# Altium PCB RK_NVR_DEMO1_RK3588_LP4XD200P232SD8_V21_20211228_final_lint.PcbDoc (part 11 of 29) (continued)
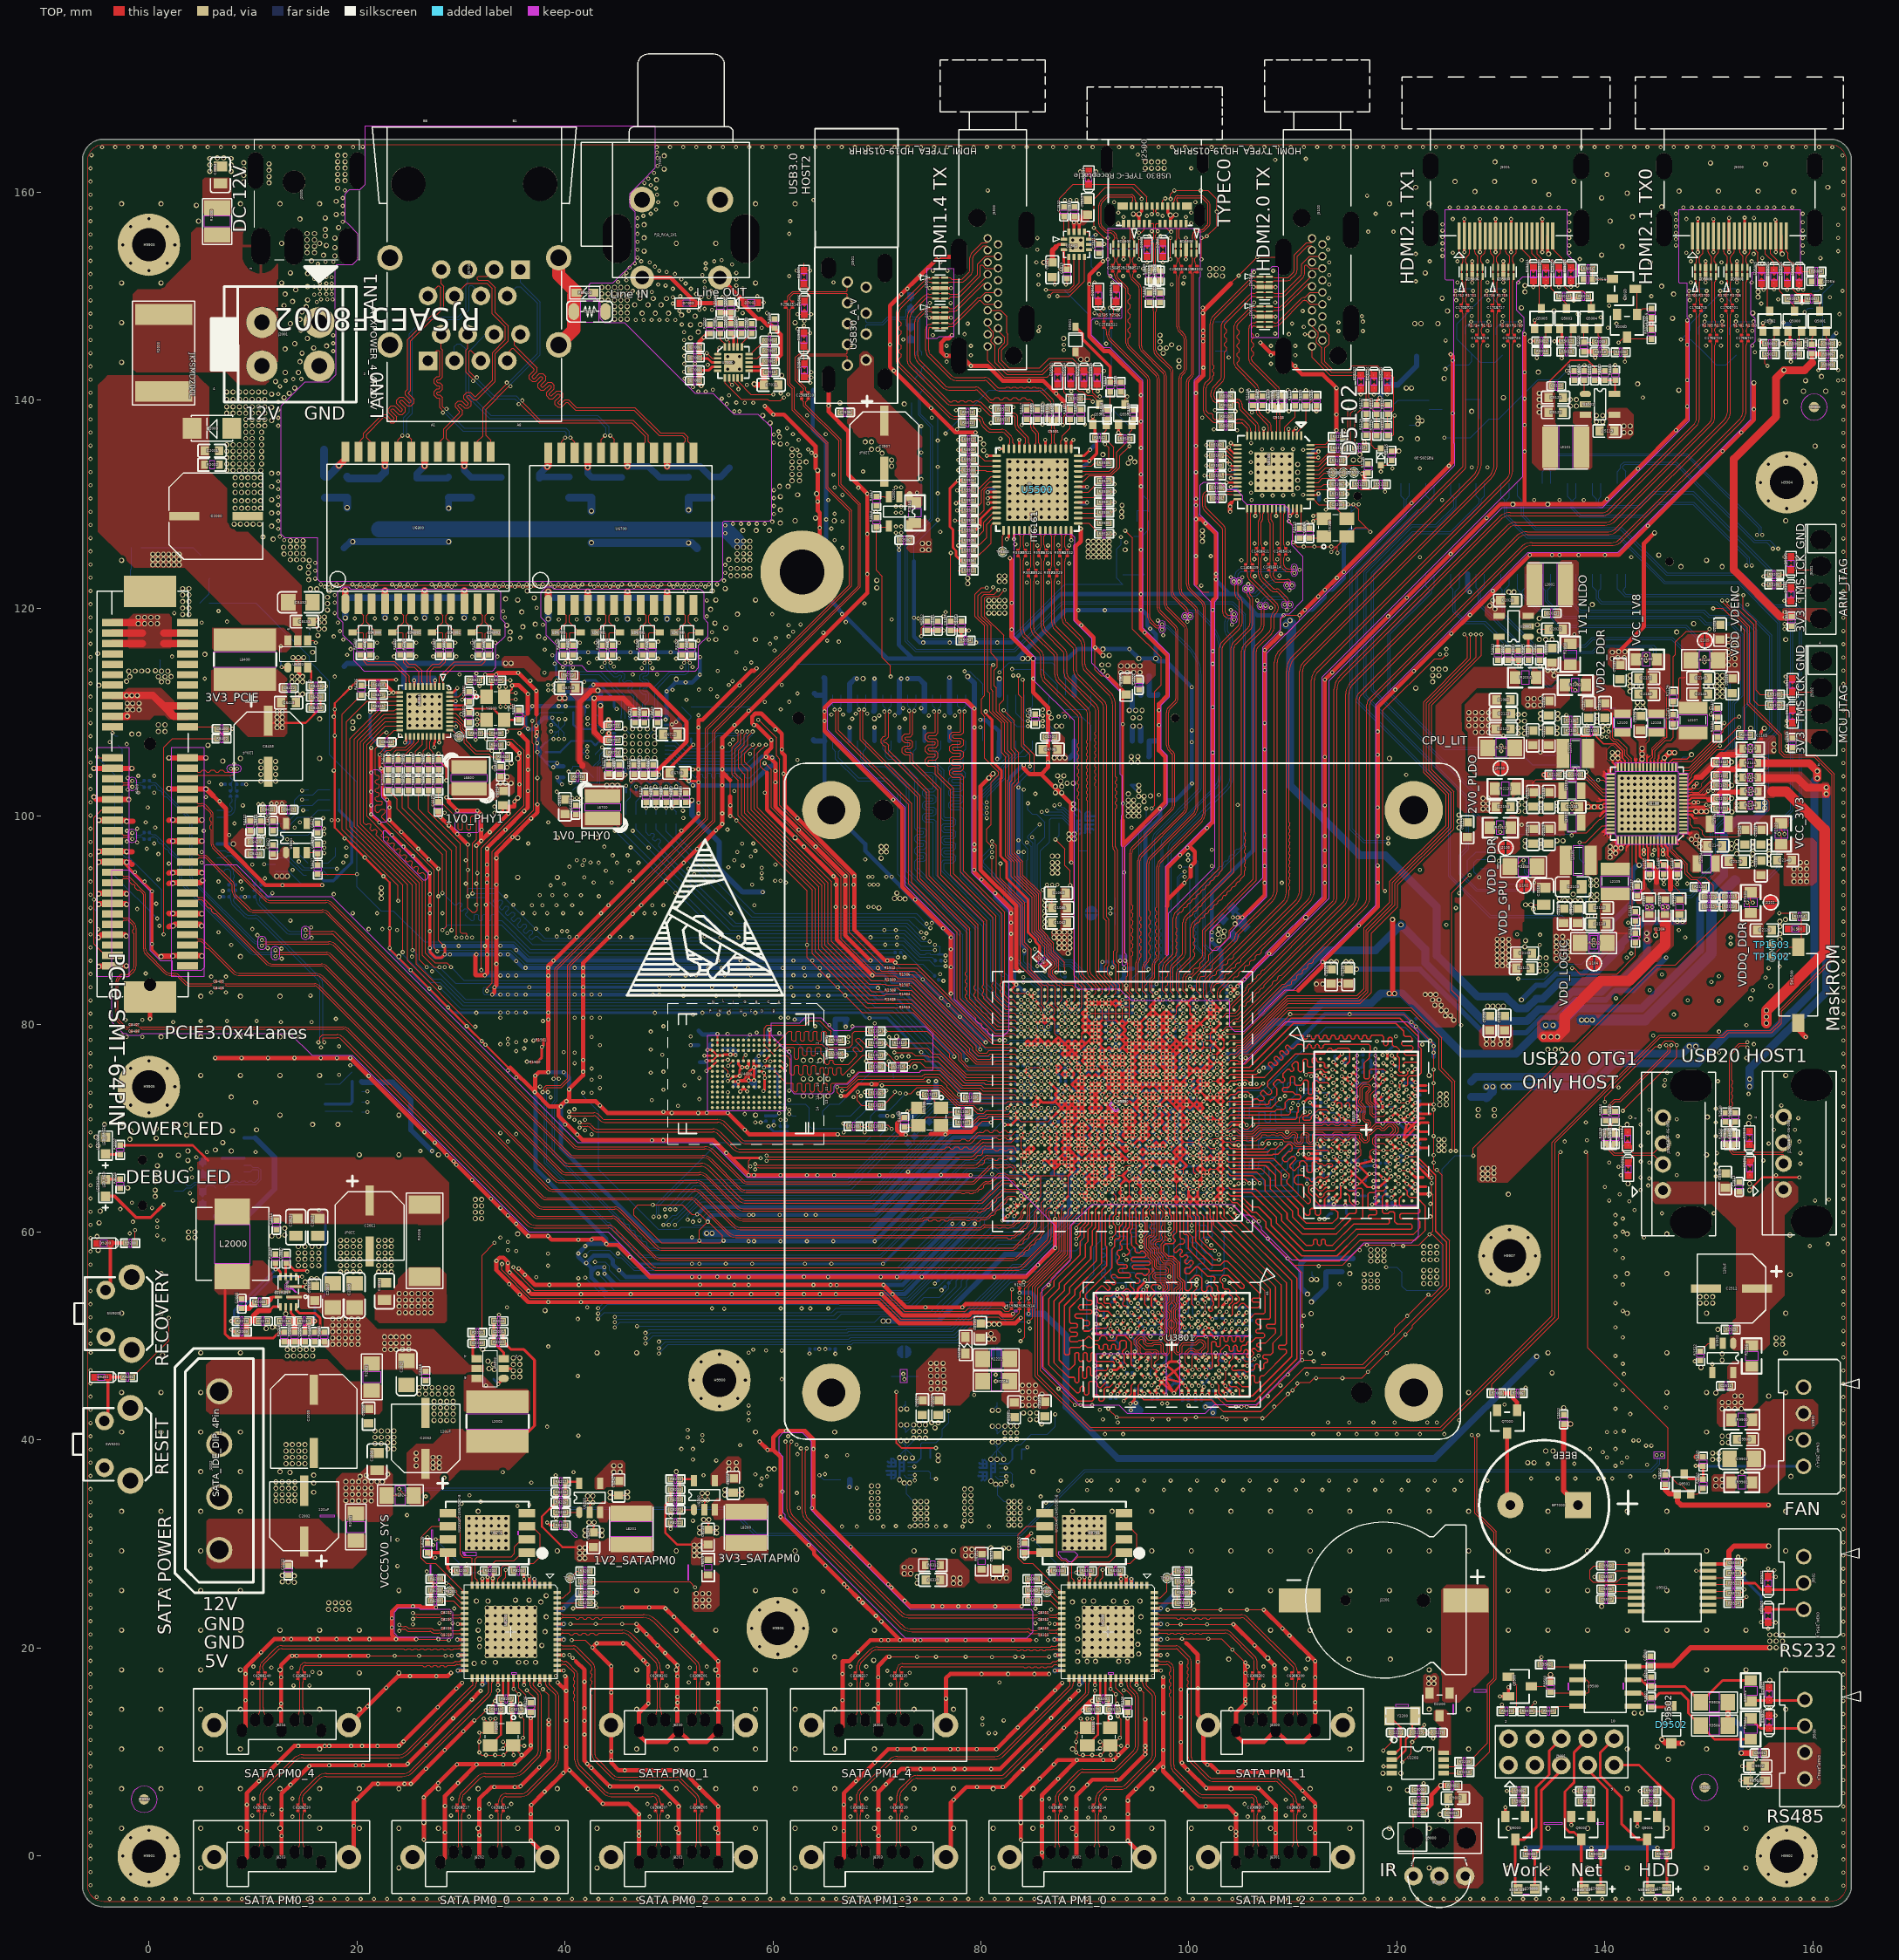
[diagram p0: TOP view]
## Nets (pads, with @x,y where several pads share a name; then routed paths per layer and width w, separated by ;. In a path a pad name is that pad's centre, name@x,y a point inside that pad or via, vN(x,y) a via of type N, cw(c..) or ccw(c..) an arc to the next point about the centre after c; other vN are vias at no path point) (continued)
 v2(116.216,74.981) U3800.C5@115.841,75.356 U3800.D4@115.041,74.706 ; v2(117.365,65.596) v2(117.822,65.606) U3800.V8@118.241,65.606 v2(118.69,65.186) 118.716,65.16 118.837,65.16 U3800.W9@119.041,64.956 ; 117.441,67.298 117.441,67.171 v28(117.746,66.866) ; v2(117.619,62.675) 117.909,62.675 U3800.AB8@118.241,63.006 ; v2(117.746,64.326) 118.221,64.326 U3800.Y8@118.241,64.306 U3800.W9@119.041,64.956 ; v2(117.822,74.13) 117.896,74.056 U3800.E8@118.241,74.056 ; v2(117.865,74.981) U3800.C8@118.241,75.356 ; U3800.T8@118.241,66.906 v28(117.746,66.866) ; v2(118.635,71.666) 118.635,72.386 v2(118.631,72.39) 118.631,72.405 118.28,72.757 U3800.G8@118.241,72.757 118.64,73.156 v2@118.64,73.207 ; v28(118.648,74.464) 118.891,74.706 U3800.D9@119.041,74.706 ; U3800.K9@119.041,70.807 119.412,71.051 v28(119.432,71.047) ; v28(119.376,68.597) U3800.P10@119.841,68.206 ; v2(119.452,65.363) U3800.W9@119.041,64.956 ; v2(119.503,67.869) U3800.P10@119.841,68.206 ; v2(119.516,76.981) U3800.A10@119.841,76.656 ; v2(119.841,62.421) U3800.AB10@119.841,63.006 ; U3800.T10@119.841,66.906 v2(120.128,67.194) ; U3800.J10@119.841,71.457 120.347,71.11 v2(120.355,71.111) 120.355,71.093 U3800.K11@120.641,70.807 120.937,70.557 v2(120.941,70.508) ; v2(120.286,67.882) U3800.P10@119.841,68.206 ; v2(120.316,74.382) U3800.D11@120.641,74.706 ; v35(120.965,64.632) U3800.Y12@121.441,64.306 ; v28(120.965,68.531) U3800.P12@121.441,68.206 ; v2(121.022,72.428) U3800.G12@121.441,72.757 ; v2(121.067,65.955) 121.092,65.955 U3800.V12@121.441,65.606 121.782,65.266 122.521,65.266 ; v28(121.067,71.131) 121.082,71.211 U3800.J12@121.441,71.457 ; U3800.E12@121.441,74.056 v2(121.753,73.744) ; U3800.C12@121.441,75.356 v2(121.762,75.677) ; v28(121.766,66.582) 123.132,65.215 v2(123.334,65.215) ; 122.623,70.955 122.176,70.955 120.776,69.556 ; 122.826,64.351 122.135,64.351 v28(121.766,63.982) 121.929,63.818 122.112,63.635 v9(123.094,63.635) ; 122.826,68.923 122.157,68.923 v28(121.781,68.546) 122.216,68.11 122.927,68.11 ; 122.826,73.597 121.9,73.597 v2(121.753,73.744) ; 122.826,74.105 122.114,74.105 v2(121.753,73.744) ; 122.927,69.634 122.216,69.634 v2(121.81,70.041) ; 123.029,70.549 122.318,70.549 v2(121.81,70.041) ; 123.232,71.362 122.185,71.362 v28(121.766,71.781) 122.26,72.276 v2(123.537,72.276) ; v2@123.531,71.781 v2(123.533,71.779) ; v1(126.483,154.24) J5001.2@126.483,155.791 v1(126.483,157.417) ; v1(127.233,151.29) ED5006.3@127.233,151.942 ED5006.8@127.233,152.732 v1(127.233,153.358) ; v1(127.983,154.24) J5001.5@127.983,155.791 v1(127.983,157.398) ; v1(129.483,154.24) J5001.8@129.483,155.791 v1(129.483,157.417) ; v1(130.235,151.316) ED5007.3@130.235,151.942 ED5007.8@130.235,152.732 v1(130.235,153.358) ; v1(130.983,154.24) J5001.11@130.983,155.791 v1(130.983,157.417) ; v2(133.118,150.889) ED5011.2@133.118,151.499 ; v1(133.983,154.24) J5001.17@133.983,155.791 v1(133.983,157.417) ; v2(134.32,150.914) ED5010.2@134.32,151.511 ; v2(135.582,150.855) ED5009.2@135.582,151.499 ; v2(136.733,150.914) ED5008.2@136.733,151.511 ; v9(144.873,88.532) 144.928,88.587 C1104.2@144.928,89.142 ; v1(148.937,154.24) J5000.2@148.937,155.791 v1(148.937,157.46) ; v1(149.687,151.316) ED5000.3@149.687,151.942 ED5000.8@149.687,152.732 v1(149.687,153.358) ; v1(150.437,154.24) J5000.5@150.437,155.791 v1(150.437,157.398) ; v1(151.937,154.24) J5000.8@151.937,155.791 v1(151.937,157.513) ; v1(152.689,151.316) ED5001.3@152.689,151.942 ED5001.8@152.689,152.732 v1(152.689,153.358) ; v1(153.437,154.24) J5000.11@153.437,155.791 v1(153.437,157.548) ; C1105.2@155.033,107.985 155.033,108.141 v9(155.338,108.446) ; ED5005.2@155.063,151.245 155.063,150.808 v2(155.262,150.61) ; v2(156.265,150.66) ED5004.2@156.265,151.257 ; v1(156.38,157.342) 156.437,157.286 J5000.17@156.437,155.791 v1(156.437,154.24) ; v1(157.527,150.601) ED5003.2@157.527,151.245 ; v1(158.589,150.66) 158.589,150.711 158.678,150.801 ED5002.2@158.678,151.257 ; U1000.G32@84.191,65.756 U1000.F31@84.841,65.106 ; v2(84.515,67.38) 84.191,67.705 v2(83.866,67.38) U1000.J32@84.191,67.055 v2(84.515,67.38) ; 84.515,68.031 U1000.L31@84.841,68.356 85.165,68.031 U1000.K31@84.841,67.705 84.515,68.031 ; U1000.AF31@84.841,78.106 v2(85.165,77.781) U1000.AF30@85.491,78.106 ; U1000.U31@84.842,72.254 85.167,72.579 ; U1000.U31@84.842,72.254 v2(85.164,71.932) U1000.U30@85.491,72.256 ; 85.166,78.431 U1000.AF30@85.491,78.106 ; 85.166,78.431 U1000.AG30@85.491,78.756 ; 85.167,72.579 U1000.U30@85.491,72.256 ; 85.167,72.579 85.491,72.903 U1000.V30@85.491,72.906 ; U1000.U30@85.491,72.256 U1000.U30@85.491,72.256 85.816,72.581 ; U1000.V30@85.491,72.906 85.816,72.581 ; U1000.AF30@85.491,78.106 85.816,78.431 ; U1000.AG30@85.491,78.756 85.816,78.431 ; 85.816,72.581 85.943,72.454 86.989,72.454 87.111,72.576 ; 85.816,78.431 U1000.AF29@86.141,78.106 ; v2(85.816,80.381) 86.141,80.056 v2(86.466,80.381) ; v2(85.816,80.381) U1000.AK29@86.141,80.706 ; U1000.AF29@86.141,78.106 86.466,78.431 U1000.AF28@86.791,78.106 ; U1000.AF29@86.141,78.106 v2(86.466,77.781) U1000.AF28@86.791,78.106 ; U1000.AK29@86.141,80.706 v2(86.466,80.381) ; 86.466,66.731 U1000.H28@86.791,66.406 ; 86.466,66.731 U1000.J28@86.791,67.055 87.116,66.731 ; U1000.H28@86.791,66.406 87.116,66.081 87.441,66.406 ; U1000.H28@86.791,66.406 87.116,66.731 ; U1000.AF28@86.791,78.106 87.116,78.43 ; 87.111,72.576 U1000.V27@87.441,72.906 ; 87.111,72.576 87.436,72.251 ; 87.116,66.731 87.441,66.406 ; 87.116,78.43 87.441,78.755 87.766,78.43 ; 87.116,78.43 U1000.AF27@87.441,78.106 ; 87.436,72.251 v2(87.766,72.581) ; 87.436,72.251 87.756,71.931 87.766,71.931 ; 87.441,66.406 v2(87.766,66.731) ; U1000.V27@87.441,72.906 v2(87.766,72.581) ; U1000.AF27@87.441,78.106 87.766,78.43 ; U1000.AF27@87.441,78.106 v2(87.766,77.781) ; v2(87.766,66.731) U1000.H26@88.091,66.406 v2(88.416,66.081) ; v2(87.766,66.731) 88.091,67.056 ; v2(87.766,66.731) U1000.J27@87.441,67.055 87.766,67.381 88.091,67.705 v2(88.415,67.381) ; 87.766,71.931 U1000.T26@88.091,71.606 88.42,71.935 ; 87.766,71.931 88.095,72.26 88.42,71.935 ; v2(87.766,72.581) 88.086,72.26 88.094,72.26 v2(88.415,72.581) ; v2(87.766,77.781) U1000.AE26@88.091,77.456 ; v2(87.766,77.781) 88.091,78.106 ; 87.766,78.43 88.091,78.106 ; U1000.L26@88.09,68.356 87.765,68.031 88.09,67.706 88.416,68.031 ; U1000.L26@88.09,68.356 87.765,68.681 U1000.M26@88.091,69.006 ; U1000.L26@88.091,68.356 v2(88.416,68.681) ; U1000.M26@88.091,69.006 v2(87.766,69.331) U1000.N26@88.091,69.656 ; U1000.M26@88.091,69.006 v2(88.416,68.681) ; U1000.M26@88.091,69.006 88.416,69.331 ; U1000.N26@88.091,69.656 v2(87.766,69.981) U1000.P26@88.091,70.306 ; U1000.N26@88.091,69.656 v2(88.416,69.981) ; U1000.P26@88.091,70.306 v2(88.416,70.631) ; U1000.AE26@88.091,77.456 88.416,77.781 ; U1000.AE26@88.091,77.456 87.766,77.131 U1000.AD26@88.091,76.806 88.416,77.131 ; U1000.AE26@88.091,77.456 88.416,77.131 ; 88.091,67.056 88.091,67.054 v2(88.415,66.73) ; 88.091,67.057 v2(88.415,67.381) ; 88.091,78.106 88.416,78.431 U1000.AF25@88.74,78.106 ; 88.091,78.106 88.416,77.781 ; v2(88.416,66.081) U1000.G25@88.74,65.756 ; v2(88.416,66.081) U1000.H25@88.74,66.406 ; v2(88.415,67.381) 88.739,67.706 ; v2(88.415,67.381) U1000.J25@88.74,67.056 ; 88.416,68.031 88.416,68.029 88.739,67.706 ; v2(88.416,68.681) U1000.M25@88.74,69.006 88.416,69.331 ; 88.416,69.331 88.74,69.656 v2(88.416,69.981) ; v2(88.416,69.981) 88.74,70.306 v2(88.416,70.631) ; v2(88.416,70.631) U1000.R25@88.74,70.956 ; v2(88.416,71.281) U1000.T25@88.74,71.606 ; v2(88.415,72.581) U1000.V25@88.74,72.906 ; 88.416,77.131 U1000.AD25@88.74,76.806 89.066,77.131 ; 88.416,77.131 v2(89.066,77.781) ; 88.416,77.781 U1000.AF25@88.74,78.106 ; 88.416,77.781 89.066,77.131 ; 88.42,71.935 88.74,71.614 U1000.T25@88.74,71.606 ; 88.739,67.706 89.064,67.381 89.066,67.381 ; U1000.G25@88.74,65.756 89.065,66.081 U1000.H25@88.74,66.406 ; U1000.H25@88.74,66.406 89.066,66.731 ; U1000.J25@88.74,67.055 89.065,66.731 ; U1000.J25@88.74,67.055 89.066,67.381 ; U1000.R25@88.74,70.956 89.054,70.642 89.077,70.642 ; U1000.R25@88.74,70.956 89.066,71.281 ; U1000.T25@88.74,71.606 89.065,71.281 ; U1000.V25@88.74,72.906 U1000.U24@89.391,72.256 ; U1000.AF25@88.74,78.106 89.065,78.431 U1000.AF24@89.391,78.106 ; U1000.AF25@88.74,78.106 v2(89.066,77.781) ; 89.066,66.731 U1000.J24@89.391,67.055 89.066,67.381 ; 89.066,71.281 U1000.T24@89.39,71.606 ; v2(89.066,73.231) U1000.V24@89.391,72.906 ; v2(89.066,73.231) U1000.W24@89.391,73.556 ; 89.066,73.881 U1000.Y24@89.391,74.206 89.716,73.881 ; 89.066,73.881 U1000.W24@89.391,73.556 ; v2@89.066,76.481 U1000.AD24@89.391,76.806 89.066,77.131 ; v2(89.066,76.481) U1000.AC24@89.391,76.156 ; 89.066,77.131 U1000.AE24@89.391,77.456 v2(89.066,77.781) ; v2(89.066,77.781) U1000.AF24@89.391,78.106 ; 89.066,71.931 U1000.U24@89.391,72.256 ; 89.066,71.931 U1000.T24@89.391,71.606 ; 89.077,70.642 U1000.R24@89.391,70.956 ; U1000.R24@89.391,70.956 v2(89.716,71.281) U1000.R23@90.041,70.956 v2(90.366,70.631) ; U1000.T24@89.391,71.606 89.391,71.608 89.714,71.931 ; U1000.U24@89.391,72.256 89.391,72.258 v2(89.714,72.581) ; U1000.U24@89.391,72.256 89.391,72.254 89.714,71.931 ; U1000.V24@89.391,72.906 v2(89.716,73.231) ; U1000.V24@89.391,72.906 89.391,72.903 v2(89.714,72.581) ; U1000.W24@89.391,73.556 v2(89.716,73.231) ; U1000.W24@89.391,73.556 89.716,73.881 ; U1000.AA24@89.391,74.856 v2(89.716,75.181) ; U1000.AA24@89.391,74.856 v2(89.716,74.531) ; U1000.AB24@89.391,75.506 v2(89.716,75.181) ; U1000.AB24@89.391,75.506 89.716,75.831 U1000.AC24@89.391,76.156 ; U1000.AB24@89.391,75.506 v2(89.066,75.83) U1000.AC24@89.391,76.156 ; U1000.AF24@89.391,78.106 89.716,78.431 90.041,78.106 ; 89.714,71.931 U1000.U23@90.039,72.256 ; v2(89.714,72.581) U1000.U23@90.039,72.256 ; v2(89.714,72.581) 90.039,72.906 90.041,72.906 v2(89.716,73.231) ; v2(89.716,63.481) U1000.C23@90.041,63.156 ; v2(89.716,73.231) U1000.W23@90.041,73.556 89.716,73.881 ; 89.716,73.881 90.041,74.206 v2(89.716,74.531) ; v2(89.716,74.531) U1000.AA23@90.041,74.856 ; v2(89.716,75.181) U1000.AA23@90.041,74.856 ; U1000.AA23@90.041,74.856 90.366,75.18 U1000.AA22@90.691,74.856 91.016,75.181 U1000.AA21@91.341,74.856 91.666,75.181 ; 90.041,78.106 90.358,78.422 ; U1000.AH23@90.041,79.405 90.366,79.081 ; U1000.AH23@90.041,79.405 90.366,79.731 ; U1000.AH23@90.041,79.405 89.716,79.731 U1000.AJ23@90.041,80.056 ; U1000.AJ23@90.041,80.056 89.716,80.381 U1000.AK23@90.041,80.706 ; U1000.AJ23@90.041,80.056 90.366,79.731 ; U1000.AJ23@90.041,80.056 90.366,80.381 ; U1000.AK23@90.041,80.706 90.366,80.381 ; U1000.AK23@90.041,80.706 89.716,81.031 90.041,81.356 v2(90.366,81.031) U1000.AK23@90.041,80.706 ; 90.358,78.422 90.674,78.106 U1000.AF22@90.691,78.106 v2(91.015,78.431) ; 90.358,78.422 U1000.AG22@90.691,78.756 ; v2(90.366,64.131) U1000.E23@90.041,64.456 90.366,64.781 ; v2(90.366,64.131) U1000.E22@90.691,64.456 ; 90.366,64.781 U1000.E22@90.691,64.456 ; 90.366,64.781 U1000.F23@90.041,65.106 90.366,65.431 ; 90.366,64.781 U1000.F22@90.691,65.106 ; 90.366,65.431 U1000.G22@90.691,65.756 ; 90.366,65.431 U1000.F22@90.691,65.106 ; v2(90.366,66.731) U1000.H22@90.691,66.406 ; v2@90.366,66.731 U1000.J22@90.691,67.055 v2(91.016,66.731) ; 90.366,67.381 U1000.J22@90.691,67.055 91.016,67.381 ; 90.366,67.381 U1000.K22@90.691,67.705 91.016,67.381 ; v2(90.366,70.631) U1000.P22@90.691,70.306 ; v2(90.366,70.631) U1000.R22@90.691,70.956 v18(91.016,70.631) ; 90.366,79.081 U1000.AH22@90.691,79.405 ; 90.366,79.081 U1000.AG22@90.691,78.756 ; 90.366,79.731 U1000.AH22@90.691,79.405 ; 90.366,79.731 U1000.AJ22@90.691,80.056 ; 90.366,80.381 U1000.AJ22@90.691,80.056 ; v2(90.366,81.681) U1000.AM22@90.691,82.006 ; U1000.E22@90.691,64.456 91.016,64.781 ; U1000.F22@90.691,65.106 91.016,64.781 ; U1000.F22@90.691,65.106 v2(91.016,65.431) ; U1000.G22@90.691,65.756 v2(91.016,66.081) ; U1000.G22@90.691,65.756 v2(91.016,65.431) ; U1000.H22@90.691,66.406 v2(91.016,66.731) ; U1000.H22@90.691,66.406 v2(91.016,66.081) ; U1000.P22@90.691,70.306 v18(91.016,70.631) ; U1000.P22@90.691,70.306 v18(91.016,69.981) ; U1000.AG22@90.691,78.756 v2(91.015,79.081) ; U1000.AH22@90.691,79.405 v2(91.015,79.731) ; U1000.AJ22@90.691,80.056 v2(91.015,79.731) ; U1000.AJ22@90.691,80.056 v2(91.016,80.381) U1000.AJ21@91.341,80.056 ; U1000.AM22@90.691,82.006 v2(91.016,82.331) v2(91.666,81.681) U1000.AM20@91.991,82.006 ; v2(91.015,79.731) U1000.AH21@91.341,79.405 ; 91.016,64.781 U1000.F21@91.341,65.106 ; v2(91.016,65.431) U1000.F21@91.341,65.106 ; v2(91.016,65.431) U1000.G21@91.341,65.756 v2(91.016,66.081) ; v2(91.016,66.731) U1000.J21@91.341,67.055 ; 91.016,67.381 U1000.K21@91.341,67.705 91.666,67.381 ; 91.016,67.381 U1000.J21@91.341,67.055 ; v18(91.016,69.981) 90.691,69.656 90.366,69.331 U1000.M22@90.691,69.006 v2(90.366,68.681) U1000.L22@90.691,68.356 U1000.K21@91.341,67.705 91.666,68.031 ; v18(91.016,70.631) U1000.P21@91.341,70.306 ; v2(91.015,78.431) U1000.AG21@91.341,78.756 ; v2(91.015,79.081) U1000.AH21@91.341,79.405 ; v2(91.015,79.081) U1000.AG21@91.341,78.756 ; U1000.F21@91.341,65.106 v2(91.666,64.781) U1000.F20@91.991,65.106 92.316,65.431 ; U1000.J21@91.341,67.055 91.666,67.381 ; U1000.P21@91.341,70.306 91.666,69.981 ; U1000.AG21@91.341,78.756 91.666,79.081 U1000.AH21@91.341,79.405 ; U1000.AH21@91.341,79.405 91.666,79.731 U1000.AJ21@91.341,80.056 ; v2(91.664,71.281) 91.341,70.958 U1000.R21@91.341,70.956 91.666,70.631 U1000.R20@91.991,70.956 91.991,70.96 v2(92.314,71.283) ; 91.666,68.031 U1000.L20@91.991,68.356 ; 91.666,68.031 U1000.L21@91.341,68.356 91.666,68.681 ; v2(91.666,76.481) U1000.AD21@91.341,76.806 v2(91.666,77.131) ; v2(91.666,76.481) U1000.AC20@91.991,76.156 ; v2(91.666,76.481) 91.341,76.156 91.666,75.831 ; 91.666,68.681 U1000.L20@91.991,68.356 ; 91.666,68.681 U1000.M20@91.991,69.006 v2(91.666,69.331) U1000.N20@91.991,69.656 91.666,69.981 ; 91.666,69.981 U1000.P20@91.991,70.306 ; 91.666,75.181 U1000.AA20@91.991,74.856 v2(92.316,75.181) ; 91.666,75.181 U1000.AB20@91.991,75.506 ; 91.666,75.831 U1000.AC20@91.991,76.156 ; 91.666,75.831 U1000.AB20@91.991,75.506 ; U1000.L20@91.991,68.356 v2(92.316,68.681) ; U1000.P20@91.991,70.306 v2(92.316,70.631) ; U1000.U20@91.991,72.256 92.316,71.931 ; U1000.U20@91.991,72.256 v2(92.316,72.581) U1000.V19@92.641,72.906 v2(92.966,73.231) ; U1000.AB20@91.991,75.506 v2(92.316,75.831) ; U1000.AB20@91.991,75.506 v2(92.316,75.181) ; U1000.AC20@91.991,76.156 v2(92.316,75.831) ; v2(92.314,71.283) U1000.T20@91.991,71.606 92.316,71.931 ; v2(92.314,71.283) 92.637,71.606 U1000.T19@92.641,71.606 ; v2(92.316,64.781) U1000.F19@92.641,65.106 ; 92.316,65.431 U1000.F19@92.641,65.106 ; 92.316,65.431 U1000.G19@92.641,65.756 ; v2(92.316,66.731) U1000.H19@92.641,66.406 ; v2(92.316,66.731) U1000.J19@92.641,67.055 ; v2(92.316,68.681) U1000.L19@92.641,68.356 v2(92.966,68.681) U1000.M18@93.291,69.006 ; v2(92.316,70.631) U1000.P19@92.641,70.306 92.966,70.631 ; v2(92.316,70.631) U1000.R19@92.641,70.956 92.966,71.281 ; 92.316,71.931 U1000.T19@92.641,71.606 ; 92.316,73.881 U1000.Y19@92.641,74.206 ; 92.316,73.881 U1000.W19@92.641,73.556 ; v2(92.316,74.531) U1000.AA19@92.641,74.856 ; v2(92.316,75.181) U1000.AB19@92.641,75.506 ; v2(92.316,75.181) U1000.AA19@92.641,74.856 ; v2(92.316,75.831) U1000.AB19@92.641,75.506 ; U1000.F19@92.641,65.106 v2(92.966,65.431) U1000.G19@92.641,65.756 ; U1000.G19@92.641,65.756 92.316,66.081 U1000.H19@92.641,66.406 ; U1000.G19@92.641,65.756 v2(92.966,66.081) U1000.H19@92.641,66.406 ; U1000.H19@92.641,66.406 v2(92.966,66.731) ; U1000.J19@92.641,67.055 v2(92.966,67.381) U1000.K18@93.291,67.705 ; U1000.J19@92.641,67.055 v2(92.966,66.731) ; U1000.T19@92.641,71.606 92.965,71.281 ; U1000.W19@92.641,73.556 v2(92.966,73.881) ; U1000.W19@92.641,73.556 v2(92.966,73.231) ; U1000.Y19@92.641,74.206 v2(92.966,73.881) ; U1000.Y19@92.641,74.206 v2(92.966,74.531) ; U1000.AA19@92.641,74.856 v2(92.966,74.531) ; U1000.AA19@92.641,74.856 v2(92.966,75.181) ; U1000.AB19@92.641,75.506 v2(92.966,75.181) ; v2(92.966,66.731) U1000.J18@93.291,67.055 ; v2(92.966,69.981) U1000.P18@93.291,70.306 92.966,70.631 ; v2(92.966,69.981) 93.291,69.656 v2(92.966,69.331) U1000.M18@93.291,69.006 ; v2(92.966,73.231) U1000.W18@93.291,73.556 ; v2(92.966,73.231) U1000.V18@93.291,72.906 93.294,72.906 v2(93.622,72.578) 93.941,72.259 U1000.U17@93.941,72.256 93.951,72.256 94.272,72.577 94.591,72.259 U1000.U16@94.591,72.256 ; v2(92.966,73.881) U1000.Y18@93.291,74.206 93.616,73.881 ; v2(92.966,73.881) U1000.W18@93.291,73.556 ; v2(92.966,74.531) U1000.Y18@93.291,74.206 93.616,74.531 ; v2(92.966,74.531) U1000.AA18@93.291,74.856 ; v2(92.966,75.181) U1000.AA18@93.291,74.856 ; v2(92.966,75.181) U1000.AB18@93.291,75.506 93.291,75.49 93.608,75.173 ; U1000.J18@93.291,67.055 v2(93.615,66.731) 93.615,66.738 93.937,67.06 ; U1000.J18@93.291,67.055 93.616,67.38 ; U1000.K18@93.291,67.705 93.616,67.38 ; U1000.W18@93.291,73.556 93.616,73.881 ; U1000.AA18@93.291,74.856 93.616,74.531 ; U1000.AA18@93.291,74.856 93.608,75.173 ; U1000.AG18@93.291,78.756 93.616,79.081 ; U1000.AG18@93.291,78.756 93.62,78.427 ; U1000.AJ18@93.291,80.056 93.616,79.731 ; U1000.AJ18@93.291,80.056 93.589,80.354 93.914,80.029 ; 93.608,75.173 U1000.AB17@93.941,75.506 ; 93.608,75.173 93.925,74.856 U1000.AA17@93.941,74.856 ; v2(93.616,63.48) U1000.C17@93.941,63.156 ; v2(93.616,63.48) 93.29,63.806 v2(93.616,64.131) U1000.E18@93.291,64.456 93.941,65.106 ; v2(93.616,63.48) U1000.C18@93.291,63.156 v2(93.616,62.831) U1000.C17@93.941,63.156 ; 93.616,67.38 93.937,67.06 ; 93.616,73.881 U1000.Y17@93.941,74.206 ; 93.616,73.881 U1000.W17@93.941,73.556 v2(94.265,73.881) ; 93.616,74.531 U1000.AA17@93.941,74.856 ; 93.616,74.531 U1000.Y17@93.941,74.206 ; 93.616,77.781 v2(94.266,78.431) U1000.AF16@94.591,78.106 v2(94.915,78.431) U1000.AG15@95.241,78.756 ; 93.615,77.781 93.993,77.403 ; 93.616,79.081 93.941,79.406 93.616,79.731 ; 93.616,79.081 93.944,78.752 ; 93.616,79.731 93.914,80.029 ; 93.62,78.427 93.944,78.752 ; 93.62,78.427 v2(94.254,77.793) v2@94.254,77.781 ; U1000.C17@93.941,63.156 94.266,63.481 U1000.C16@94.591,63.156 ; U1000.C17@93.941,63.156 94.265,62.831 U1000.C16@94.591,63.156 ; 93.941,65.106 94.266,64.78 U1000.F16@94.591,65.106 ; U1000.Y17@93.941,74.206 v2(94.265,73.881) ; U1000.AA17@93.941,74.856 v2(94.265,75.181) ; U1000.AB17@93.941,75.505 v2(94.265,75.181) ; U1000.AB17@93.941,75.506 v2@94.266,75.83 ; 93.993,77.403 94.251,77.146 v2(94.251,77.128) ; 93.993,77.403 93.993,77.52 v2@94.254,77.781 ; v2(94.251,77.128) 94.573,76.806 U1000.AD16@94.591,76.806 94.915,77.131 ; v2(94.251,77.128) U1000.AE16@94.579,77.456 ; v2@94.254,77.781 U1000.AE16@94.579,77.456 ; v2@94.254,77.781 94.266,77.781 U1000.AF16@94.591,78.106 94.915,77.781 ; v2(94.265,73.881) U1000.Y16@94.591,74.206 94.915,74.531 ; v2(94.265,73.881) U1000.W16@94.591,73.556 ; v2(94.265,75.181) U1000.AB16@94.591,75.506 ; v2(94.265,75.181) U1000.AA16@94.591,74.856 ; v2(94.266,75.831) U1000.AC16@94.591,76.156 ; v2(94.266,75.831) U1000.AB16@94.591,75.506 ; U1000.AE16@94.579,77.456 U1000.AE16@94.591,77.456 ; U1000.F16@94.591,65.106 v2(94.915,64.781) 95.24,64.456 v2(95.565,64.132) 95.565,64.13 95.24,63.806 v2(95.565,63.481) ; U1000.U16@94.591,72.256 94.601,72.256 94.922,72.577 ; U1000.U16@94.591,72.256 94.906,71.941 ; U1000.W16@94.591,73.556 v2(94.916,73.231) ; U1000.W16@94.591,73.556 v2(94.915,73.881) ; U1000.AA16@94.591,74.856 94.915,74.531 ; U1000.AA16@94.591,74.856 94.916,75.18 U1000.AB16@94.591,75.506 ; U1000.AB16@94.591,75.506 94.915,75.831 U1000.AC16@94.591,76.156 ; U1000.AE16@94.591,77.456 94.915,77.131 ; U1000.AE16@94.591,77.456 94.915,77.781 ; 94.906,71.941 94.926,71.941 U1000.U15@95.241,72.256 ; v2(94.915,73.881) U1000.W15@95.241,73.556 ; v2(94.915,73.881) U1000.Y15@95.241,74.206 ; 94.915,74.531 U1000.Y15@95.241,74.206 ; 94.915,77.131 U1000.AE15@95.241,77.456 ; 94.915,77.781 U1000.AE15@95.241,77.456 ; 94.915,77.781 U1000.AF15@95.241,78.106 ; v2(94.915,79.731) U1000.AH15@95.241,79.405 ; v2(94.915,79.731) U1000.AJ15@95.241,80.056 ; v2(94.916,73.231) U1000.W15@95.241,73.556 ; v2(94.916,73.231) U1000.V15@95.241,72.906 ; 94.922,72.577 95.241,72.896 U1000.V15@95.241,72.906 ; 94.922,72.577 95.241,72.259 U1000.U15@95.241,72.256 ; U1000.M15@95.241,69.006 95.565,68.681 U1000.M14@95.891,69.006 ; U1000.M15@95.241,69.006 v18(95.565,69.331) ; U1000.U15@95.241,72.256 95.562,72.577 v2(95.562,72.581) 95.562,72.585 U1000.V15@95.241,72.906 ; U1000.W15@95.241,73.556 95.563,73.878 ; U1000.Y15@95.241,74.206 v2(95.565,74.531) U1000.Y14@95.891,74.206 v2(96.215,74.531) U1000.Y13@96.541,74.206 ; U1000.AE15@95.241,77.456 95.565,77.781 ; U1000.AF15@95.241,78.106 95.565,78.431 ; U1000.AG15@95.241,78.756 95.565,79.081 U1000.AH15@95.241,79.405 ; U1000.AG15@95.241,78.756 v2(94.915,79.081) U1000.AH15@95.241,79.405 ; U1000.AG15@95.241,78.756 95.565,78.431 ; U1000.AH15@95.241,79.405 95.566,79.731 U1000.AJ15@95.241,80.056 ; 95.563,73.878 U1000.Y14@95.891,74.206 96.215,73.881 U1000.Y13@96.54,74.206 ; v2(95.565,63.481) U1000.C14@95.89,63.156 ; v2(95.565,64.781) 95.89,65.106 v2(96.215,64.781) 96.54,65.106 v2(96.865,64.781) U1000.E12@97.191,64.456 v2(97.515,64.131) 97.19,63.806 v2(97.515,63.48) ; 95.565,66.73 U1000.J14@95.891,67.055 v2@96.215,66.731 ; 95.565,66.73 U1000.H14@95.89,66.406 ; v18(95.565,69.331) U1000.M14@95.891,69.006 ; v18(95.565,69.331) U1000.N14@95.89,69.656 ; v2(95.565,69.981) U1000.P14@95.891,70.306 ; v2(95.565,69.981) U1000.N14@95.891,69.656 ; v2(95.565,70.631) U1000.P14@95.891,70.306 ; 95.565,77.781 U1000.AE14@95.891,77.456 v2(96.215,77.781) ; 95.565,77.781 U1000.AF14@95.891,78.106 ; 95.565,78.431 U1000.AF14@95.891,78.106 ; U1000.C14@95.891,63.156 v2(96.215,62.831) U1000.C13@96.54,63.156 ; U1000.C14@95.891,63.156 v2(96.216,63.48) U1000.C13@96.541,63.156 ; U1000.H14@95.891,66.406 v2(96.215,66.731) ; U1000.M14@95.891,69.006 96.215,69.331 U1000.N14@95.891,69.656 ; U1000.N14@95.891,69.656 96.216,69.981 U1000.P14@95.891,70.306 ; U1000.AF14@95.891,78.106 v2(96.215,78.431) U1000.AF13@96.54,78.106 ; v2(96.215,66.731) 96.54,67.055 96.866,66.73 ; v2(96.215,77.781) U1000.AF13@96.541,78.106 ; v2(96.215,77.781) 96.54,77.456 96.865,77.781 ; 96.215,81.031 96.54,81.356 96.865,81.031 ; 96.216,81.031 96.54,80.706 96.865,81.031 ; 96.525,81.99 96.557,81.99 v2(96.866,81.681) U1000.AL13@96.541,81.356 96.215,81.681 96.525,81.99 ; U1000.Y13@96.541,74.206 96.866,73.88 ; U1000.AF13@96.541,78.106 v2(96.865,78.431) ; 96.866,66.73 U1000.J12@97.191,67.055 97.516,66.73 U1000.J11@97.841,67.055 98.166,66.73 ; 96.866,66.73 U1000.H12@97.191,66.406 ; v2(96.866,71.93) U1000.U12@97.191,72.256 ; 96.866,73.88 U1000.W12@97.191,73.556 ; 96.865,77.781 U1000.AE12@97.191,77.456 ; 96.865,77.781 U1000.AF12@97.191,78.106 ; v2(96.865,78.431) U1000.AG12@97.191,78.756 ; v2(96.865,78.431) U1000.AF12@97.191,78.106 ; 96.865,81.031 U1000.AK12@97.191,80.706 ; U1000.U12@97.191,72.256 v2(97.516,71.93) U1000.T11@97.841,71.606 97.841,71.6 98.159,71.282 97.841,70.964 U1000.R11@97.841,70.956 v18(98.165,70.631) U1000.P11@97.841,70.306 ; U1000.U12@97.191,72.256 U1000.V11@97.841,72.906 ; U1000.W12@97.191,73.556 97.515,73.881 ; U1000.W12@97.191,73.556 v2(97.516,73.231) ; U1000.AE12@97.191,77.456 97.516,77.781 ; U1000.AE12@97.191,77.456 v2(97.515,77.131) ; U1000.AF12@97.191,78.106 97.515,78.431 ; U1000.AF12@97.191,78.106 97.516,77.781 ; U1000.AG12@97.191,78.756 97.515,78.431 ; U1000.AG12@97.191,78.756 97.515,79.081 ; U1000.AK12@97.191,80.706 97.515,81.031 ; U1000.AK12@97.191,80.706 97.515,80.381 ; U3801.N11@97.371,45.556 97.371,45.602 v2(97.68,45.911) ; U3801.N11@97.371,45.556 v2(98.569,44.514) ; v2(97.515,63.48) U1000.C11@97.841,63.156 v2(97.515,62.831) 97.191,63.156 v2(97.515,63.48) ; v2(97.516,73.231) U1000.V11@97.841,72.906 ; v2(97.516,73.231) U1000.W11@97.841,73.556 ; 97.516,73.881 U1000.W11@97.841,73.556 ; 97.516,73.881 U1000.Y11@97.841,74.206 ; 97.515,73.881 U1000.Y12@97.191,74.206 v2(97.515,74.531) ; v2(97.515,74.531) U1000.Y11@97.841,74.206 ; 97.515,75.831 U1000.AC12@97.191,76.156 v2(97.515,76.481) ; 97.515,75.831 U1000.AB11@97.841,75.506 v2(97.515,75.181) U1000.AA11@97.841,74.856 ; v2(97.515,76.481) U1000.AD12@97.191,76.806 v2(97.515,77.131) ; v2(97.515,76.481) U1000.AD11@97.841,76.806 ; v2(97.515,76.481) U1000.AC11@97.841,76.156 ; v2(97.515,77.131) U1000.AE11@97.841,77.456 v2(98.165,77.131) ; v2(97.515,77.131) U1000.AD11@97.841,76.806 ; 97.516,77.781 U1000.AF11@97.841,78.106 98.165,77.781 ; 97.516,77.781 U1000.AE11@97.841,77.456 98.165,77.781 ; 97.515,79.081 U1000.AH11@97.841,79.405 ; 97.515,79.081 U1000.AH12@97.191,79.405 97.515,79.731 ; 97.515,79.731 U1000.AJ11@97.841,80.056 ; 97.515,79.731 U1000.AJ12@97.191,80.056 97.515,80.381 ; 97.515,80.381 U1000.AK11@97.841,80.706 ; v2(97.68,45.911) 98.587,46.599 ; v2(97.68,45.911) v2(98.569,44.514) ; v2(97.68,45.911) U3801.K11@99.321,45.556 ; v2(97.807,47.181) 98.187,47.562 v2(99.077,47.562) 99.077,47.4 U3801.K9@99.321,47.156 98.587,46.599 ; v2(97.807,47.181) 98.587,46.599 ; U1000.N11@97.841,69.656 97.516,69.981 U1000.P11@97.841,70.306 ; U1000.N11@97.841,69.656 v18(98.165,69.981) U1000.P11@97.841,70.306 ; U1000.V11@97.841,72.906 98.165,72.581 ; U1000.V11@97.841,72.906 v2(98.165,73.231) ; U1000.W11@97.841,73.556 v2(98.165,73.231) ; U1000.W11@97.841,73.556 98.165,73.881 ; U1000.Y11@97.841,74.206 98.165,73.881 ; U1000.AA11@97.841,74.856 v2(98.165,74.531) ; U1000.AA11@97.841,74.856 v2(98.165,75.181) ; U1000.AC11@97.841,76.156 v2@98.165,75.831 ; U1000.AD11@97.841,76.806 v2(98.165,77.131) ; U1000.AD11@97.841,76.806 98.166,76.481 v2(98.167,76.481) ; U1000.AH11@97.841,79.405 v2(98.166,79.08) U1000.AG10@98.491,78.756 98.816,78.431 98.49,78.106 ; U1000.AH11@97.841,79.405 v2(98.165,79.731) U1000.AJ11@97.841,80.056 ; U1000.AJ11@97.841,80.056 v2(98.165,80.381) ; U1000.AK11@97.841,80.706 98.166,81.031 ; U1000.AK11@97.841,80.706 v2(98.165,80.381) ; 98.165,72.581 98.49,72.256 ; 98.165,72.581 U1000.V10@98.491,72.906 ; v2(98.165,73.231) U1000.W10@98.491,73.556 98.165,73.881 ; v2(98.165,73.231) U1000.V10@98.491,72.906 ; 98.165,73.881 U1000.Y10@98.491,74.206 ; v2(98.165,74.531) U1000.Y10@98.491,74.206 ; v2(98.165,74.531) U1000.AA10@98.491,74.856 ; v2(98.165,75.181) U1000.AB10@98.491,75.506 98.167,75.829 v2(98.167,75.831) ; v2(98.165,75.181) U1000.AB11@97.841,75.506 v2@98.165,75.831 ; v2(98.165,75.181) U1000.AA10@98.491,74.856 ; v2@98.165,75.831 v2(98.167,75.831) ; v2(98.165,77.131) U1000.AD10@98.491,76.806 ; v2(98.165,77.131) 98.49,77.455 ; 98.165,77.78 98.49,77.455 ; 98.166,66.73 U1000.J10@98.491,67.055 ; v2(98.167,75.831) v2(98.167,75.831) U1000.AC10@98.491,76.156 v2(98.167,76.481) v2(98.167,76.481) ; v2(98.167,76.481) 98.167,76.482 U1000.AD10@98.491,76.806 ; 98.49,72.256 98.812,71.935 ; 98.49,72.256 98.815,72.581 ; U1000.V10@98.491,72.906 v2(98.815,73.231) ; U1000.Y10@98.491,74.206 98.815,74.531 U1000.Y9@99.141,74.206 ; U1000.AD10@98.491,76.806 98.815,77.131 ; 98.49,77.455 98.815,77.131 ; 98.49,78.106 98.816,77.78 ; U1000.J10@98.491,67.055 98.816,67.381 ; U1000.J10@98.491,67.055 98.807,66.739 98.807,66.722 ; v2(98.569,44.514) U3801.K11@99.321,45.556 ; 98.587,46.599 U3801.K11@99.321,45.556 ; 98.807,66.722 U1000.H10@98.491,66.406 v2(98.816,66.081) U1000.G10@98.491,65.756 98.815,65.431 ; 98.807,66.722 99.141,67.056 ; 98.812,71.935 U1000.T9@99.141,71.606 ; 98.812,71.935 99.149,72.272 ; 98.815,65.431 U1000.F9@99.141,65.106 ; 98.816,72.581 99.124,72.272 99.149,72.272 ; 98.816,72.581 U1000.V9@99.141,72.906 ; v2(98.815,73.231) U1000.V9@99.141,72.906 ; v2(98.815,73.231) U1000.W9@99.141,73.556 ; v2(98.815,73.881) U1000.Y9@99.141,74.206 ; v2(98.815,73.881) U1000.W9@99.141,73.556 ; 98.816,77.131 U1000.AE9@99.141,77.456 ; 98.816,67.381 U1000.K9@99.141,67.705 ; 98.816,67.381 99.141,67.056 ; 98.816,77.781 99.141,78.105 ; 98.816,77.78 U1000.AE9@99.141,77.456 ; U1000.C9@99.141,63.156 v2(99.465,62.831) U1000.C8@99.791,63.156 ; U1000.F9@99.141,65.106 v2(99.465,64.781) U1000.E8@99.791,64.456 v2(100.115,64.131) 99.966,63.981 99.966,63.564 ; U1000.K9@99.141,67.705 99.465,68.031 99.141,68.355 99.144,68.356 99.467,68.679 U1000.M9@99.141,69.006 v2(99.466,69.331) U1000.N9@99.141,69.656 99.466,69.981 ; U1000.T9@99.141,71.606 99.143,71.606 99.48,71.942 ; U1000.T9@99.141,71.606 99.465,71.281 ; U1000.V9@99.141,72.906 v2(99.465,73.231) ; U1000.V9@99.141,72.906 99.465,72.581 ; U1000.W9@99.141,73.556 v2(99.465,73.881)